# KiCad board pcb.kicad_pcb
title: Glider; date: 2025-09-09; rev: R1.3
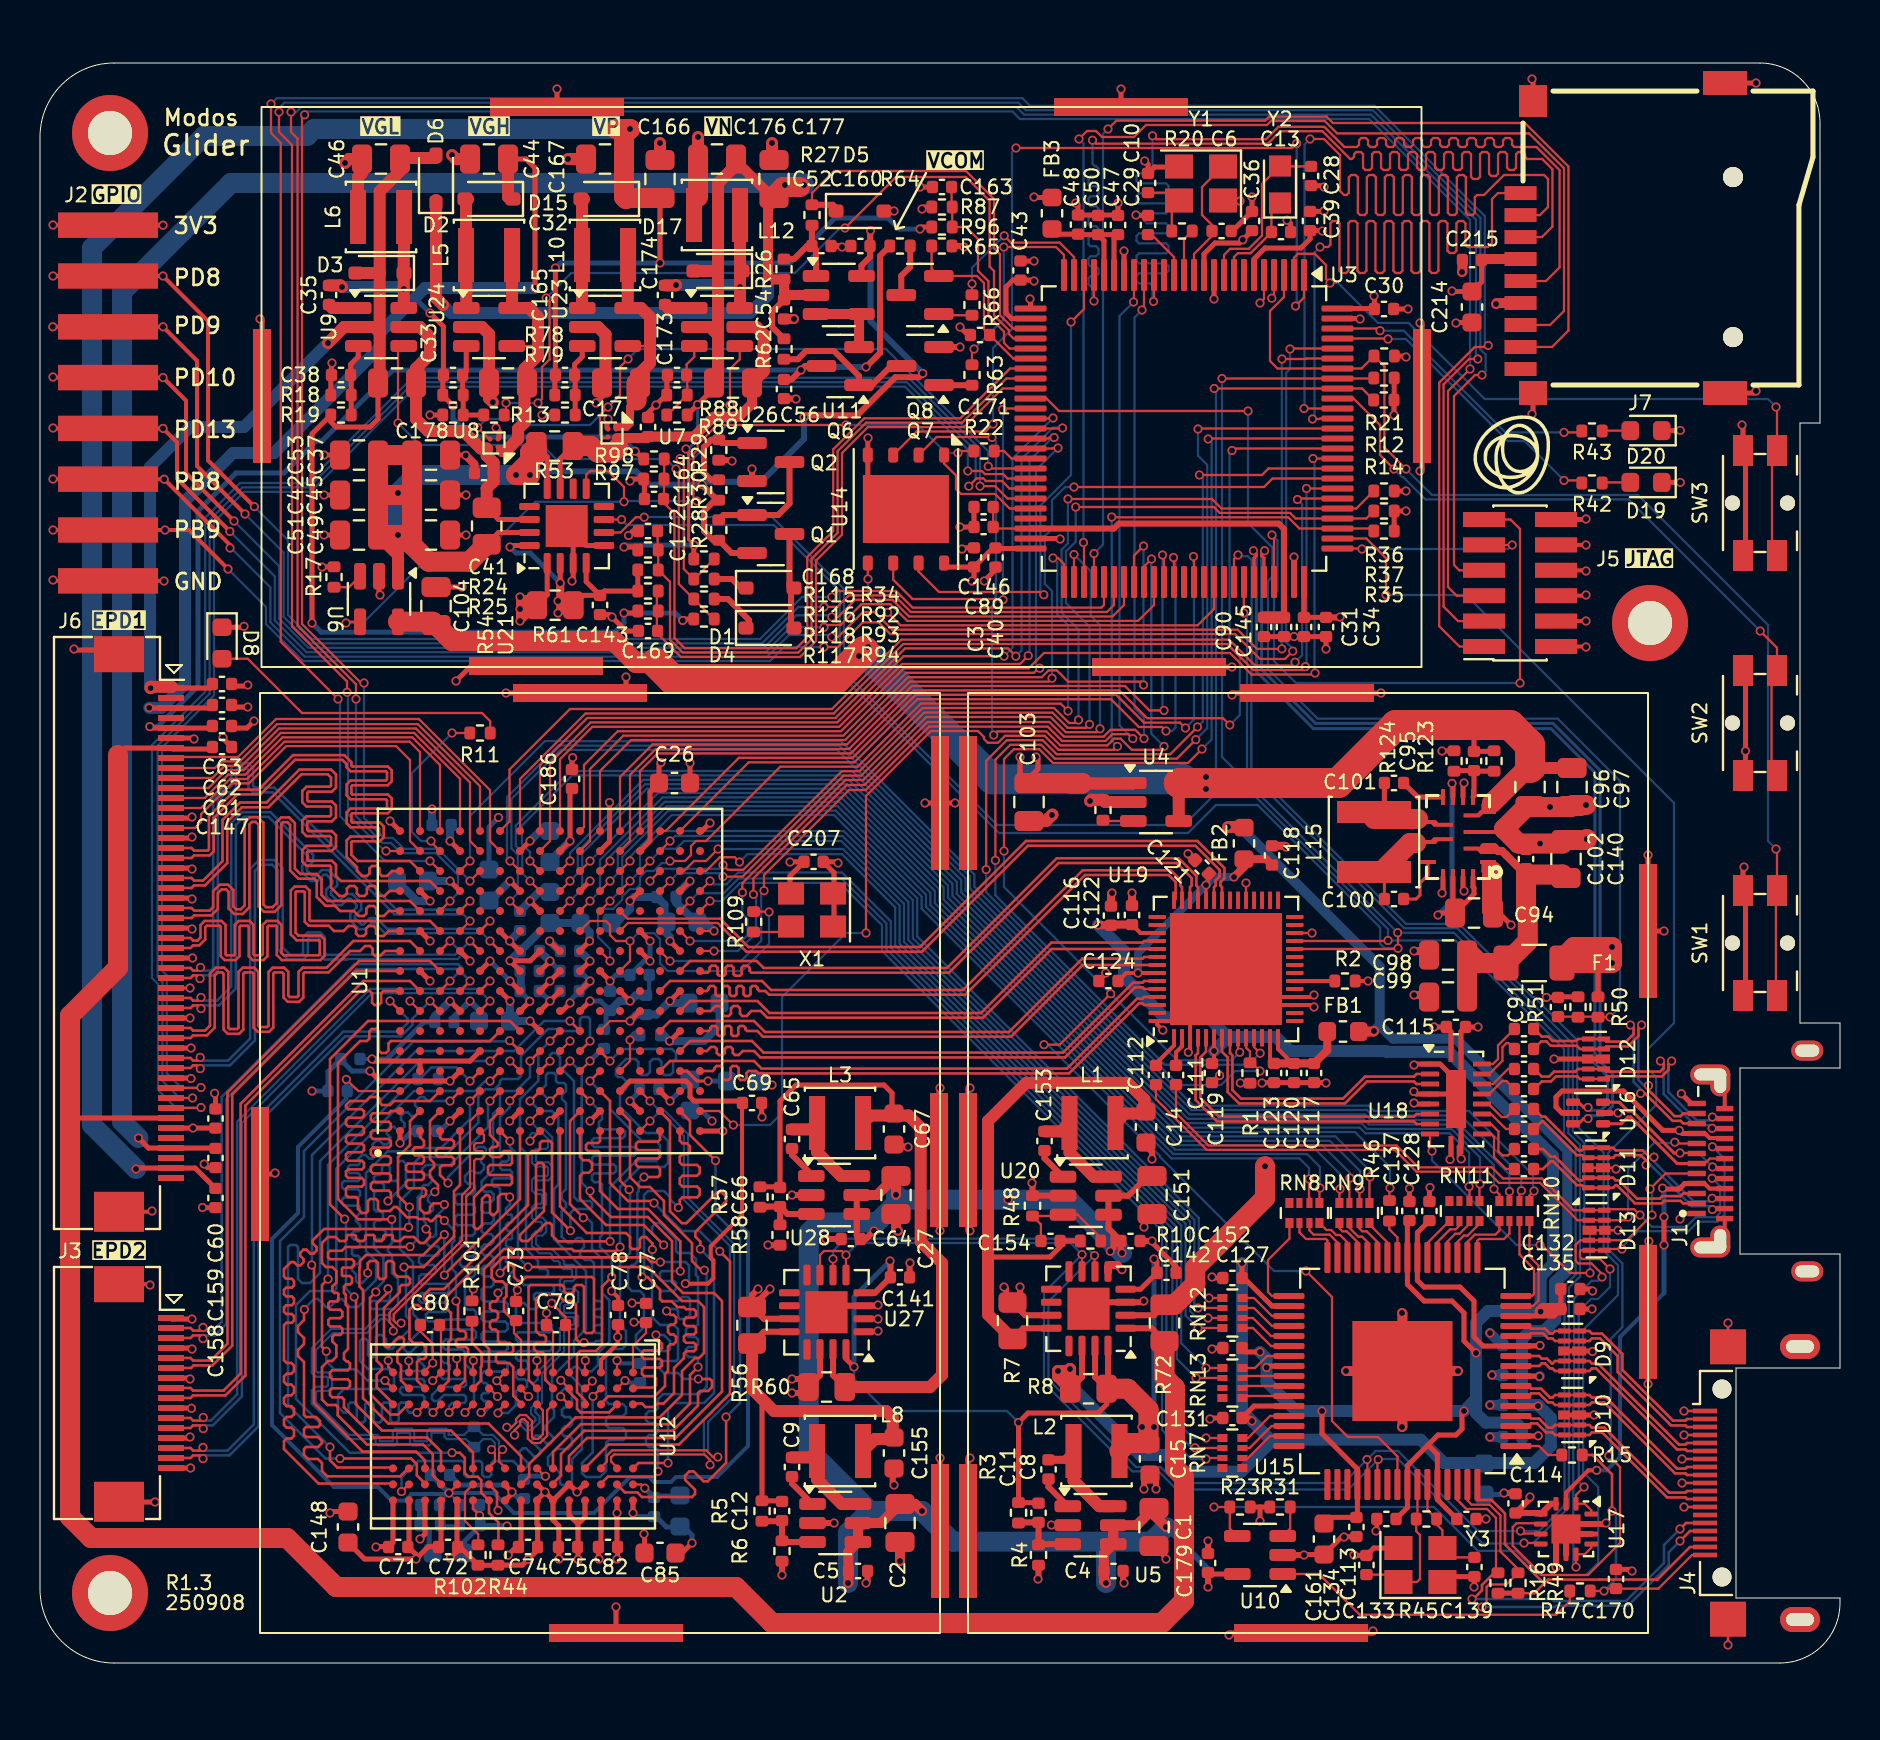
[diagram p0: board, top side]
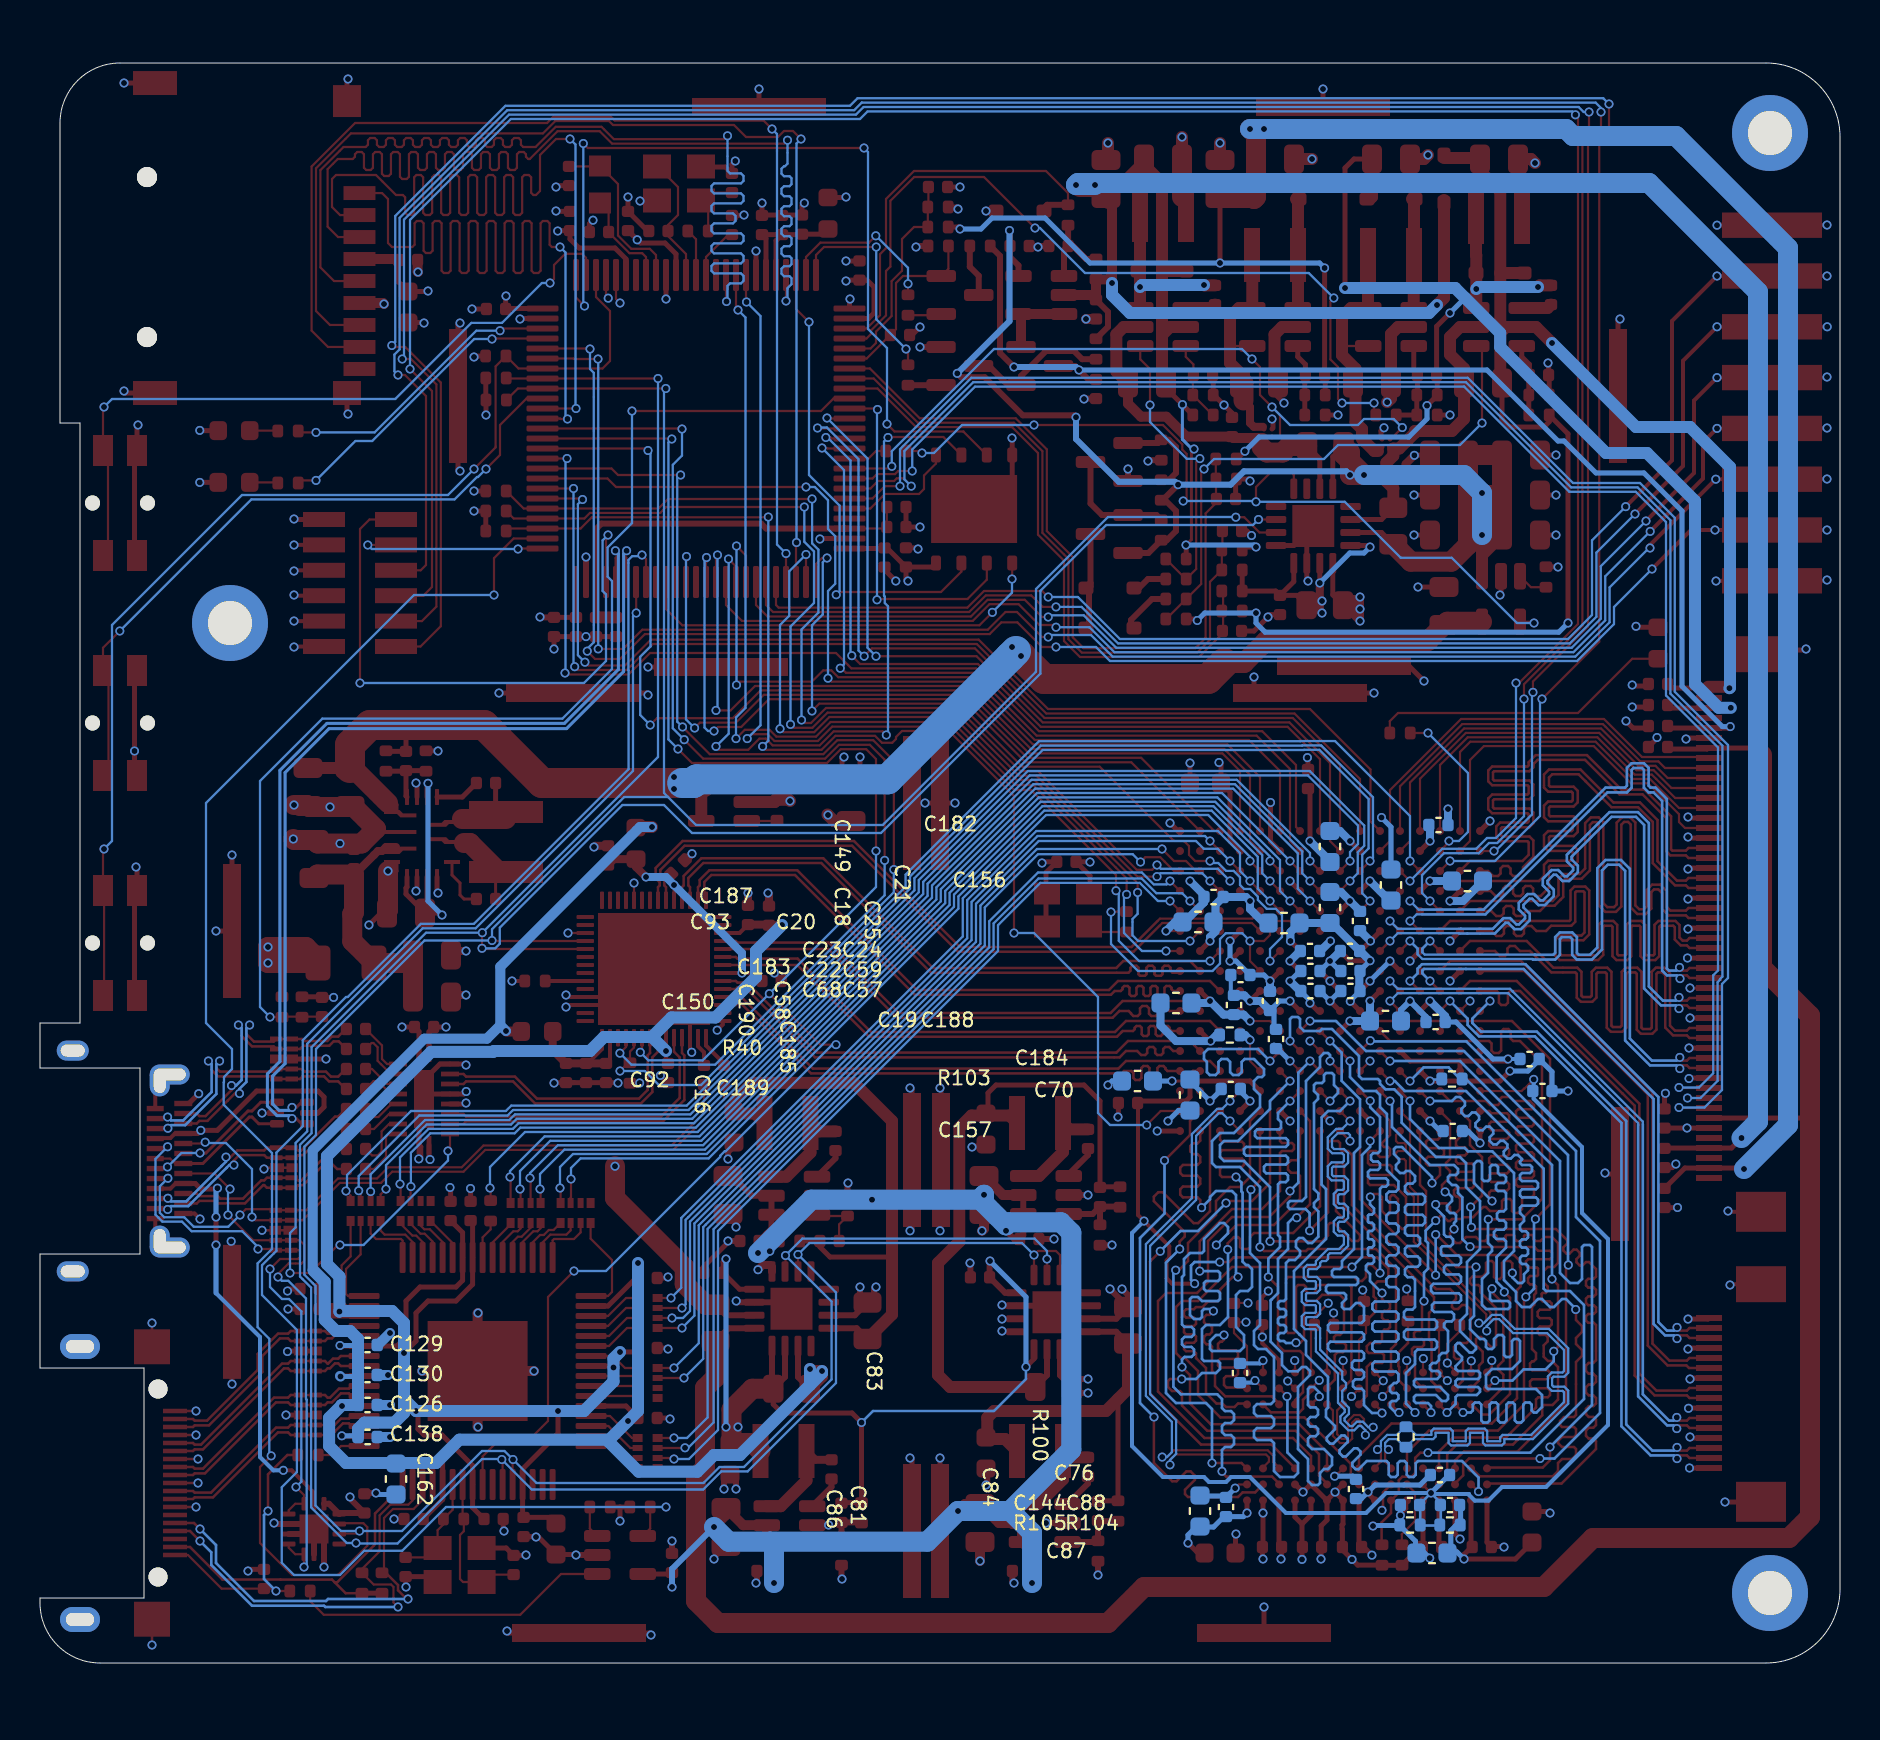
[diagram p1: board, bottom side, seen from below]

Outline 90 x 80 mm; copper layers: Top, In1.Cu (plane), In2.Cu, Bottom. Coordinates in mm from the lower left corner of the outline.
Outline path: 0,76.3 0,3.7 arc(1.08,1.08) 3.7,0 87,0 arc(89.12,0.88) 90,3 90,3.25 84.8,3.25 84.8,14.75 90,14.75 90,20.45 85,20.45 85,29.75 90,29.75 90,32 88,32 88,62 89,62 89,77 arc(88.12,79.12) 86,80 3.7,80 arc(1.08,78.92) 0,76.3
Stack: Top 0.035mm / dielectric 0.127mm FR4 er 4.2 / In1.Cu 0.0152mm / dielectric 0.6mm FR4 er 4.2 / In2.Cu 0.0152mm / dielectric 0.127mm FR4 er 4.2 / Bottom 0.035mm

## Placement (name value [footprint] x y rotation side)
C1  22uF/10V  [C_0805_2012Metric]  55.7 6.8 90 top
C2  22uF/10V  [C_0805_2012Metric]  43 7 90 top
C3  100nF/50V  [C_0402_1005Metric]  46.7 55.28 90 top
C4  100nF/50V  [C_0402_1005Metric]  53.67 4.6 180 top
C5  100nF/50V  [C_0402_1005Metric]  40.9 4.6 180 top
C6  18pF/50V  [C_0402_1005Metric]  59.08 71.6 0 top
C7  100nF/50V  [C_0402_1005Metric]  74.2 27.7 180 top
C8  100nF/50V  [C_0402_1005Metric]  50.42 9.68 270 top
C9  100nF/50V  [C_0402_1005Metric]  37.6 9.8 270 top
C10  18pF/50V  [C_0402_1005Metric]  55.4 74 90 top
C11  18pF/50V  [C_0402_1005Metric]  49.92 7.51 270 top
C12  18pF/50V  [C_0402_1005Metric]  37.1 7.6 270 top
C13  18pF/50V  [C_0402_1005Metric]  62.05 71.55 0 top
C14  22uF/6.3V  [C_0603_1608Metric]  55.3 26.8 270 top
C15  22uF/6.3V  [C_0603_1608Metric]  55.5 10.2 270 top
C16  22uF/6.3V  [C_0603_1608Metric]  32.5 28.4 90 bottom
C17  22uF/10V  [C_0805_2012Metric]  29.05 64 0 top
C18  22uF/6.3V  [C_0603_1608Metric]  25.5 37.78 90 bottom
C19  22uF/6.3V  [C_0603_1608Metric]  22.72 32.1 180 bottom
C20  22uF/6.3V  [C_0603_1608Metric]  27.8 37 0 bottom
C21  22uF/6.3V  [C_0603_1608Metric]  22.45 38.9 90 bottom
C22  4.7uF/6.3V  [C_0402_1005Metric]  26.48 34.6 180 bottom
C23  4.7uF/6.3V  [C_0402_1005Metric]  26.5 35.6 0 bottom
C24  4.7uF/6.3V  [C_0402_1005Metric]  24.5 35.6 0 bottom
C25  470nF/25V  [C_0402_1005Metric]  24 37.1 90 bottom
C26  22uF/6.3V  [C_0603_1608Metric]  31.72 44 0 top
C27  22uF/10V  [C_0805_2012Metric]  42.8 23.4 90 top
C28  18pF/50V  [C_0402_1005Metric]  63.55 74.35 270 top
C29  100nF/50V  [C_0402_1005Metric]  55.4 71.9 270 top
C30  100nF/50V  [C_0402_1005Metric]  67.2 67.7 0 top
C31  100nF/50V  [C_0402_1005Metric]  63.2 51.8 270 top
C32  22uF/10V  [C_0805_2012Metric]  23.4 64 0 top
C33  4.7uF/50V  [C_0805_2012Metric]  17.85 64 0 top
C34  4.7uF/6.3V  [C_0402_1005Metric]  64.3 51.8 270 top
C35  100nF/50V  [C_0402_1005Metric]  14.45 68.4 270 top
C36  100nF/50V  [C_0402_1005Metric]  60.6 72.1 90 top
C37  22uF/10V  [C_0805_2012Metric]  19.55 60.4 180 top
C38  18pF/50V  [C_0402_1005Metric]  15.05 64.4 180 top
C39  100nF/50V  [C_0402_1005Metric]  63.5 72.1 90 top
C40  100nF/50V  [C_0402_1005Metric]  47.78 55.27 270 top
C41  18pF/50V  [C_0402_1005Metric]  20.65 64.4 180 top
C42  22uF/10V  [C_0805_2012Metric]  15.95 58.4 0 top
C43  100nF/50V  [C_0402_1005Metric]  49.03 69.62 90 top
C44  4.7uF/50V  [C_0805_2012Metric]  22.45 75.2 0 top
C45  22uF/10V  [C_0805_2012Metric]  15.95 56.4 0 top
C46  4.7uF/50V  [C_0805_2012Metric]  17.05 75.2 180 top
C47  4.7uF/6.3V  [C_0402_1005Metric]  53.9 71.9 90 top
C48  100nF/50V  [C_0402_1005Metric]  51.9 71.92 90 top
C49  22uF/10V  [C_0805_2012Metric]  19.55 56.4 180 top
C50  100nF/50V  [C_0402_1005Metric]  52.9 71.9 90 top
C51  22uF/10V  [C_0805_2012Metric]  19.55 58.4 180 top
C52  470nF/25V  [C_0402_1005Metric]  39.08 70.85 180 top
C53  22uF/10V  [C_0805_2012Metric]  15.95 60.4 0 top
C54  100nF/50V  [C_0402_1005Metric]  37.2 67.68 90 top
C55  100nF/50V  [C_0402_1005Metric]  74.2 26.7 180 top
C56  4.7uF/6.3V  [C_0402_1005Metric]  37.2 63.7 90 top
C57  4.7uF/6.3V  [C_0402_1005Metric]  24.48 33.6 0 bottom
C58  470nF/25V  [C_0402_1005Metric]  28.5 33.1 270 bottom
C59  4.7uF/6.3V  [C_0402_1005Metric]  24.48 34.6 0 bottom
C60  100nF/50V  [C_0402_1005Metric]  8.78 27.22 90 top
C61  100nF/50V  [C_0402_1005Metric]  9.1 46.85 0 top
C62  100nF/50V  [C_0402_1005Metric]  9.1 47.9 0 top
C63  100nF/50V  [C_0402_1005Metric]  9.1 48.95 0 top
C64  100nF/50V  [C_0402_1005Metric]  40.54 21.2 0 top
C65  100nF/50V  [C_0402_1005Metric]  37.6 26.2 270 top
C66  18pF/50V  [C_0402_1005Metric]  37 23.3 270 top
C67  22uF/6.3V  [C_0603_1608Metric]  42.7 26.7 270 top
C68  470nF/25V  [C_0402_1005Metric]  26.48 33.6 180 bottom
C69  470nF/25V  [C_0402_1005Metric]  35.6 28 0 top
C70  470nF/25V  [C_0402_1005Metric]  14.88 28.6 180 bottom
C71  100nF/50V  [C_0402_1005Metric]  17.91 5.8 180 top
C72  100nF/50V  [C_0402_1005Metric]  20.4 5.8 0 top
C73  470nF/25V  [C_0402_1005Metric]  23.8 17.6 90 top
C74  100nF/50V  [C_0402_1005Metric]  24.4 5.8 0 top
C75  100nF/50V  [C_0402_1005Metric]  26.4 5.8 180 top
C76  100nF/50V  [C_0402_1005Metric]  20 9.4 0 bottom
C77  100nF/50V  [C_0402_1005Metric]  30.3 17.5 90 top
C78  100nF/50V  [C_0402_1005Metric]  28.9 17.4 90 top
C79  470nF/25V  [C_0402_1005Metric]  25.8 16.9 0 top
C80  470nF/25V  [C_0402_1005Metric]  19.5 16.9 180 top
C81  470nF/25V  [C_0402_1005Metric]  30.7 7.8 270 bottom
C82  470nF/25V  [C_0402_1005Metric]  28.4 5.8 0 top
C83  470nF/25V  [C_0402_1005Metric]  30 14.5 90 bottom
C84  470nF/25V  [C_0402_1005Metric]  24.2 8.7 270 bottom
C85  22uF/6.3V  [C_0603_1608Metric]  31 5.5 0 top
C86  22uF/6.3V  [C_0603_1608Metric]  32 7.6 270 bottom
C87  22uF/6.3V  [C_0603_1608Metric]  20.4 5.5 0 bottom
C88  100nF/50V  [C_0402_1005Metric]  19.5 7.9 0 bottom
C89  4.7uF/6.3V  [C_0402_1005Metric]  47.18 56.8 0 top
C90  4.7uF/6.3V  [C_0402_1005Metric]  61.2 51.8 90 top
C91  1nF/50V  [C_0402_1005Metric]  75.9 32.8 90 top
C92  22uF/6.3V  [C_0603_1608Metric]  35.12 29.1 0 bottom
C93  22uF/6.3V  [C_0603_1608Metric]  32.1 37.05 180 bottom
C94  22uF/10V  [C_0805_2012Metric]  71.7 37.5 180 top
C95  1nF/50V  [C_0402_1005Metric]  71.7 45.1 270 top
C96  22uF/10V  [C_0805_2012Metric]  74.5 43.8 90 top
C97  22uF/10V  [C_0805_2012Metric]  76.6 43.8 90 top
C98  4.7uF/50V  [C_0805_2012Metric]  70.4 35.4 0 top
C99  4.7uF/50V  [C_0805_2012Metric]  70.4 33.3 0 top
C100  100nF/50V  [C_0402_1005Metric]  67.7 38.2 180 top
C101  100nF/50V  [C_0402_1005Metric]  67.7 44 180 top
C102  100nF/50V  [C_0402_1005Metric]  74.3 40.2 270 top
C103  22uF/10V  [C_0805_2012Metric]  49.45 43.05 90 top
C104  22uF/10V  [C_0805_2012Metric]  19.8 52.85 270 top
C105  100nF/50V  [C_0402_1005Metric]  74.2 25.7 180 top
C106  100nF/50V  [C_0402_1005Metric]  74.2 24.7 180 top
C107  100nF/50V  [C_0402_1005Metric]  74.2 31.7 180 top
C108  100nF/50V  [C_0402_1005Metric]  74.2 30.7 180 top
C109  100nF/50V  [C_0402_1005Metric]  74.2 29.7 180 top
C110  100nF/50V  [C_0402_1005Metric]  74.2 28.7 180 top
C111  100nF/50V  [C_0402_1005Metric]  56.8 29.4 90 top
C112  100nF/50V  [C_0402_1005Metric]  55.8 29.4 90 top
C113  18pF/50V  [C_0402_1005Metric]  66.32 4.9 90 top
C114  100nF/50V  [C_0402_1005Metric]  73.78 7.98 90 top
C115  100nF/50V  [C_0402_1005Metric]  70.79 31.8 0 top
C116  4.7uF/6.3V  [C_0402_1005Metric]  53.55 37.37 90 top
C117  4.7uF/6.3V  [C_0402_1005Metric]  63.7 29.5 270 top
C118  4.7uF/6.3V  [C_0402_1005Metric]  61.6 40.38 90 top
C119  100nF/50V  [C_0402_1005Metric]  58.6 29.5 270 top
C120  100nF/50V  [C_0402_1005Metric]  62.7 29.5 270 top
C121  100nF/50V  [C_0402_1005Metric]  58.1 39.8 135 top
C122  100nF/50V  [C_0402_1005Metric]  54.6 37.4 90 top
C123  100nF/50V  [C_0402_1005Metric]  61.7 29.5 270 top
C124  100nF/50V  [C_0402_1005Metric]  53.42 34.1 180 top
C125  18pF/50V  [C_0402_1005Metric]  71.72 4.8 270 top
C126  4.7uF/6.3V  [C_0402_1005Metric]  73.62 12.9 180 bottom
C127  100nF/50V  [C_0402_1005Metric]  59.62 19.25 180 top
C128  100nF/50V  [C_0402_1005Metric]  69.47 22.6 90 top
C129  100nF/50V  [C_0402_1005Metric]  73.62 15.9 180 bottom
C130  100nF/50V  [C_0402_1005Metric]  73.62 14.4 180 bottom
C131  100nF/50V  [C_0402_1005Metric]  59.62 12.25 180 top
C132  4.7uF/6.3V  [C_0402_1005Metric]  76.52 18.7 0 top
C133  100nF/50V  [C_0402_1005Metric]  67.32 7.2 180 top
C134  100nF/50V  [C_0402_1005Metric]  65.82 6.8 270 top
C135  100nF/50V  [C_0402_1005Metric]  76.52 17.7 0 top
C136  100nF/50V  [C_0402_1005Metric]  59.62 15.75 180 top
C137  100nF/50V  [C_0402_1005Metric]  68.47 22.6 90 top
C138  100nF/50V  [C_0402_1005Metric]  73.62 11.3 180 bottom
C139  100nF/50V  [C_0402_1005Metric]  71.32 7.2 0 top
C140  4.7uF/50V  [C_0805_2012Metric]  76.3 40.2 270 top
C141  100nF/50V  [C_0402_1005Metric]  43 19.29 0 top
C142  100nF/50V  [C_0402_1005Metric]  56.33 19.51 0 top
C143  100nF/50V  [C_0402_1005Metric]  28 52.9 270 top
C144  100nF/50V  [C_0402_1005Metric]  21.5 7.9 0 bottom
C145  4.7uF/6.3V  [C_0402_1005Metric]  62.2 51.8 90 top
C146  4.7uF/6.3V  [C_0402_1005Metric]  47.18 57.8 0 top
C147  100nF/50V  [C_0402_1005Metric]  9.1 45.8 0 top
C148  22uF/6.3V  [C_0603_1608Metric]  15.4 6.8 90 top
C149  22uF/6.3V  [C_0603_1608Metric]  25.5 40.83 90 bottom
C150  22uF/6.3V  [C_0603_1608Metric]  33.2 33 0 bottom
C151  22uF/10V  [C_0805_2012Metric]  55.6 23.4 90 top
C152  100nF/50V  [C_0402_1005Metric]  54.53 21.1 180 top
C153  100nF/50V  [C_0402_1005Metric]  50.22 26.1 270 top
C154  18pF/50V  [C_0402_1005Metric]  50.53 21.1 180 top
C155  22uF/6.3V  [C_0603_1608Metric]  42.7 10.5 270 top
C156  22uF/6.3V  [C_0603_1608Metric]  18.62 39.1 0 bottom
C157  4.7uF/6.3V  [C_0402_1005Metric]  19.36 26.6 180 bottom
C158  100nF/50V  [C_0402_1005Metric]  8.78 23.25 270 top
C159  100nF/50V  [C_0402_1005Metric]  8.78 25.25 270 top
C160  100nF/50V  [C_0402_1005Metric]  41.02 70.85 0 top
C161  22uF/6.3V  [C_0603_1608Metric]  64.2 6.2 270 top
C162  22uF/6.3V  [C_0603_1608Metric]  72.2 9.2 270 bottom
C163  1nF/25V  [C_0402_1005Metric]  45.1 73.8 0 top
C164  1nF/25V  [C_0402_1005Metric]  30.7 58.2 0 top
C165  18pF/50V  [C_0402_1005Metric]  26.25 64.4 180 top
C166  4.7uF/50V  [C_0805_2012Metric]  31 74.2 270 top
C167  4.7uF/50V  [C_0805_2012Metric]  28.25 75.2 0 top
C168  1nF/25V  [C_0402_1005Metric]  30.4 56.6 0 top
C169  1nF/25V  [C_0402_1005Metric]  30.4 51.6 0 top
C170  1nF/50V  [C_0402_1005Metric]  78.8 4.2 90 top
C171  100nF/50V  [C_0402_1005Metric]  47 66.4 0 top
C172  470nF/25V  [C_0402_1005Metric]  30.4 61.8 90 top
C173  4.7uF/50V  [C_0805_2012Metric]  34.65 64 0 top
C174  100nF/50V  [C_0402_1005Metric]  31.25 68.4 270 top
C175  18pF/50V  [C_0402_1005Metric]  31.85 64.4 180 top
C176  4.7uF/50V  [C_0805_2012Metric]  33.85 75.2 180 top
C177  4.7uF/50V  [C_0805_2012Metric]  36.7 74.2 90 top
C178  470nF/25V  [C_0402_1005Metric]  22.2 59.5 180 top
C179  100nF/50V  [C_0402_1005Metric]  58.4 5 90 top
C182  4.7uF/6.3V  [C_0402_1005Metric]  20.08 41.9 180 bottom
C183  4.7uF/6.3V  [C_0402_1005Metric]  29.98 34.4 0 bottom
C184  4.7uF/6.3V  [C_0402_1005Metric]  15.52 30.2 180 bottom
C185  470nF/25V  [C_0402_1005Metric]  28.2 31.2 90 bottom
C186  470nF/25V  [C_0402_1005Metric]  26.6 44.2 90 top
C187  470nF/25V  [C_0402_1005Metric]  31.32 38.3 180 bottom
C188  470nF/25V  [C_0402_1005Metric]  20.22 32.05 0 bottom
C189  470nF/25V  [C_0402_1005Metric]  30.46 28.7 0 bottom
C190  470nF/25V  [C_0402_1005Metric]  30.3 32.9 90 bottom
C207  470nF/25V  [C_0402_1005Metric]  38.68 40.06 0 top
C214  22uF/6.3V  [C_0603_1608Metric]  71.6 67.8 270 top
C215  100nF/50V  [C_0402_1005Metric]  71.6 70.15 180 top
D1  1N5819WS  [D_SOD-323_Alt]  36.5 53.75 0 top
D2  1N5819WS  [D_SOD-323_Alt]  22.45 73.2 180 top
D3  1N5819WS  [D_SOD-323_Alt]  17 69.5 180 top
D4  1N5819WS  [D_SOD-323_Alt]  36.5 51.75 0 top
D5  1N5819WS  [D_SOD-323_Alt]  41 72.6 0 top
D6  1N5819WS  [D_SOD-323_Alt]  19.8 74.2 90 top
D8  LED GREEN  [LED_0603_1608Metric]  9.1 51 270 top
D9  RCLAMP0524P  [Diodes_UDFN-10_1.0x2.5mm_P0.5mm]  76.61 15.6 180 top
D10  RCLAMP0524P  [Diodes_UDFN-10_1.0x2.5mm_P0.5mm]  76.61 12.4 180 top
D11  RCLAMP0524P  [Diodes_UDFN-10_1.0x2.5mm_P0.5mm]  77.8 24.76 180 top
D12  RCLAMP0524P  [Diodes_UDFN-10_1.0x2.5mm_P0.5mm]  77.8 30.2 180 top
D13  RCLAMP0524P  [Diodes_UDFN-10_1.0x2.5mm_P0.5mm]  77.83 21.64 0 top
D15  1N5819WS  [D_SOD-323_Alt]  28.25 73.2 180 top
D17  1N5819WS  [D_SOD-323_Alt]  33.9 69.6 180 top
D19  LED GREEN  [LED_0603_1608Metric]  80.3 59.03 180 top
D20  LED RED  [LED_0603_1608Metric]  80.3 61.62 180 top
F1  3A  [Fuse_1206_3216Metric]  74.7 35 180 top
FB1  120R@100M  [L_0603_1608Metric]  65.15 31.58 180 top
FB2  120R@100M  [L_0603_1608Metric]  60.2 40.98 270 top
FB3  120R@100M  [L_0603_1608Metric]  50.6 72.49 270 top
G***  LOGO  [modos_logo]  73.6 60.4 0 top
H1  MountingHole  [MountingHole_2.2mm_M2_DIN965_Pad]  80.5 52 0 top
H3  MountingHole  [MountingHole_2.2mm_M2_DIN965_Pad]  3.5 3.5 0 top
H4  MountingHole  [MountingHole_2.2mm_M2_DIN965_Pad]  3.5 76.5 0 top
H5  -  [ICSRC6508-030SFR]  69.1 63.35 90 top
H6  -  [ICSRC6508-030SFR]  11.1 63.35 90 top
H7  -  [ICSRC6508-030SFR]  25.85 77.8 0 top
H8  -  [ICSRC6508-030SFR]  54.05 77.8 0 top
H9  -  [ICSRC6508-030SFR]  24.8 49.85 0 top
H12  -  [ICSRC6508-030SFR]  28.8 1.5 0 top
H13  -  [ICSRC6508-030SFR]  44.95 25.15 90 top
H14  -  [ICSRC6508-030SFR]  45 6.6 90 top
H15  -  [ICSRC6508-030SFR]  45 43 90 top
H16  -  [ICSRC6508-030SFR]  46.4 25.15 90 top
H17  -  [ICSRC6508-030SFR]  63.35 48.5 0 top
H18  -  [ICSRC6508-030SFR]  63.05 1.5 0 top
H19  -  [ICSRC6508-030SFR]  46.4 43 90 top
H20  -  [ICSRC6508-030SFR]  46.4 6.6 90 top
H21  -  [ICSRC6508-030SFR]  80.4 36.6 90 top
H22  -  [ICSRC6508-030SFR]  80.4 17.56 90 top
H23  -  [ICSRC6508-030SFR]  55.95 49.8 0 top
H25  -  [ICSRC6508-030SFR]  27 48.5 0 top
H26  -  [ICSRC6508-030SFR]  11 24.45 90 top
J1  GT-USB-7007A  [USB_C_Receptacle_GT-USB-7007A]  88.36 25.1 90 top
J2  Conn_01x08_MountingPin  [8P_2.54]  3.4 63 270 top
J3  FPC-05F-16PH20  [Xunpu_FPC-05F-16PH20_1x16-1MP_P0.50mm_Horizontal]  4.7 13.5 270 top
J4  HDMI_C_1.3  [HDMI_C_GT-HD006A-CGNGX]  88 9 90 top
J5  2x6_1.27_HDR  [PinSocket_2x06_P1.27mm_Vertical_SMD]  74 54 180 top
J6  FPC-05F-50PH20  [Xunpu_FPC-05F-50PH20_1x50-1MP_P0.50mm_Horizontal]  4.7 36.5 270 top
J7  MICRO_SD(TFC-WPAPR-08)  [TFC-WPAPR-08]  81.4 71.25 0 top
L1  WPN3012H4R7MT  [L_Changjiang_FNR3012S]  52.62 27 0 top
L2  WPN3012H4R7MT  [L_Changjiang_FNR3012S]  52.83 10.6 0 top
L3  WPN3012H4R7MT  [L_Changjiang_FNR3012S]  40 27 0 top
L5  WPN3012H4R7MT  [L_Changjiang_FNR3012S]  22.45 70.4 180 top
L6  WPN3012H4R7MT  [L_Changjiang_FNR3012S]  17.05 72.3 180 top
L8  WPN3012H4R7MT  [L_Changjiang_FNR3012S]  40 10.6 0 top
L10  WPN3012H4R7MT  [L_Changjiang_FNR3012S]  28.25 70.4 180 top
L12  WPN3012H4R7MT  [L_Changjiang_FNR3012S]  33.85 72.4 180 top
L15  WPN4020H2R2MT  [L_Changjiang_FNR4020S]  66.7 41.05 90 top
Q1  AO3401A  [SOT-23]  36.54 56.45 0 top
Q2  S8050  [SOT-23]  36.54 60.05 0 top
Q6  AO3400A  [SOT-23]  40.01 64.85 180 top
Q7  AO3401A  [SOT-23]  44.01 64.85 180 top
Q8  AO3401A  [SOT-23]  44 68.4 180 top
R1  5.1K/1%  [R_0402_1005Metric]  60.5 29.5 90 top
R2  5.1K/1%  [R_0402_1005Metric]  65.25 34.1 180 top
R3  100K/1%  [R_0402_1005Metric]  48.92 7.51 270 top
R4  22K/1%  [R_0402_1005Metric]  49.92 5.4 270 top
R5  150K/1%  [R_0402_1005Metric]  36.1 7.6 270 top
R6  120K/1%  [R_0402_1005Metric]  37.1 5.6 270 top
R7  20mR  [R_0805_2012Metric]  48.62 17.11 270 top
R8  20mR  [R_0805_2012Metric]  52.42 13.71 0 top
R9  5.1K/1%  [R_0402_1005Metric]  53.15 42.65 270 top
R10  240K/1%  [R_0402_1005Metric]  52.53 21.1 0 top
R11  10K/1%  [R_0402_1005Metric]  22 46.5 0 top
R12  10K/1%  [R_0402_1005Metric]  67.2 64.25 180 top
R13  100K/1%  [R_0402_1005Metric]  22.7 62.4 0 top
R14  10K/1%  [R_0402_1005Metric]  67.19 63.15 180 top
R15  100R/1%  [R_0402_1005Metric]  76.6 10.4 0 top
R16  10K/1%  [R_0402_1005Metric]  72.9 4 270 top
R17  10K/1%  [R_0402_1005Metric]  14.7 54.3 270 top
R18  240K/1%  [R_0402_1005Metric]  15.05 63.4 180 top
R19  10K/1%  [R_0402_1005Metric]  15.05 62.4 0 top
R20  1K/1%  [R_0402_1005Metric]  57.1 71.6 180 top
R21  10K/1%  [R_0402_1005Metric]  67.21 65.35 180 top
R22  1K/1%  [R_0402_1005Metric]  47.2 60.6 0 top
R23  10K/1%  [R_0402_1005Metric]  60 7.8 180 top
R24  390K/1%  [R_0402_1005Metric]  20.65 63.4 180 top
R25  22K/1%  [R_0402_1005Metric]  20.65 62.4 0 top
R26  100K/1%  [R_0402_1005Metric]  37.2 69.69 90 top
R27  22K/1%  [R_0402_1005Metric]  38.6 72.4 90 top
R28  100K/1%  [R_0402_1005Metric]  33.94 56.65 270 top
R29  5.1K/1%  [R_0402_1005Metric]  33.94 60.65 90 top
R30  5.1K/1%  [R_0402_1005Metric]  33.94 58.65 90 top
R31  10K/1%  [R_0402_1005Metric]  62 7.8 0 top
R34  100K/1%  [R_0402_1005Metric]  33.2 55.2 0 top
R35  5.1K/1%  [R_0402_1005Metric]  67.2 56.6 180 top
R36  5.1K/1%  [R_0402_1005Metric]  67.2 58.6 0 top
R37  1K/1%  [R_0402_1005Metric]  67.2 57.6 180 top
R40  100R/1%  [R_0402_1005Metric]  30.51 31.4 0 bottom
R42  10K/1%  [R_0402_1005Metric]  77.6 59 0 top
R43  1K/1%  [R_0402_1005Metric]  77.6 61.6 0 top
R44  5.1K/1%  [R_0402_1005Metric]  22.9 5.4 270 top
R45  1M/1%  [R_0402_1005Metric]  69.32 7.2 180 top
R46  33R/1%  [R_0402_1005Metric]  67.47 22.61 270 top
R47  10K/1%  [R_0402_1005Metric]  77 3.6 0 top
R48  120K/1%  [R_0402_1005Metric]  49.62 22.86 90 top
R49  10K/1%  [R_0402_1005Metric]  73.9 4 270 top
R50  1M/1%  [R_0402_1005Metric]  77.9 32.8 270 top
R51  100K/1%  [R_0402_1005Metric]  76.9 32.8 90 top
R53  20mR  [R_0805_2012Metric]  25.73 60.85 0 top
R54  20mR  [R_0805_2012Metric]  22.33 56.85 90 top
R56  20mR  [R_0805_2012Metric]  35.6 16.89 270 top
R57  100K/1%  [R_0402_1005Metric]  36 23.3 270 top
R58  100K/1%  [R_0402_1005Metric]  37 21.4 270 top
R60  20mR  [R_0805_2012Metric]  39.33 13.8 0 top
R61  20mR  [R_0805_2012Metric]  25.75 52.89 0 top
R62  100K/1%  [R_0402_1005Metric]  37.2 65.7 90 top
R63  33R/1%  [R_0402_1005Metric]  46.6 64.4 270 top
R64  22K/1%  [R_0402_1005Metric]  43 70.85 180 top
R65  10K/1%  [R_0402_1005Metric]  45.09 70.85 180 top
R66  33R/1%  [R_0402_1005Metric]  46.6 67.9 90 top
R72  20mR  [R_0805_2012Metric]  56.22 17 90 top
R78  150K/1%  [R_0402_1005Metric]  26.25 63.4 180 top
R79  13K/1%  [R_0402_1005Metric]  26.25 62.4 0 top
R87  100K/1%  [R_0402_1005Metric]  45.1 72.8 0 top
R88  390K/1%  [R_0402_1005Metric]  31.85 63.4 180 top
R89  22K/1%  [R_0402_1005Metric]  31.85 62.4 180 top
R92  100K/1%  [R_0402_1005Metric]  33.2 54.2 0 top
R93  100K/1%  [R_0402_1005Metric]  33.2 53.2 0 top
R94  100K/1%  [R_0402_1005Metric]  33.2 52.2 0 top
R96  1M/1%  [R_0402_1005Metric]  45.1 71.8 180 top
R97  100K/1%  [R_0402_1005Metric]  30.69 59.2 0 top
R98  1M/1%  [R_0402_1005Metric]  30.7 60.2 180 top
R100  100R/1%  [R_0402_1005Metric]  21.7 11.3 90 bottom
R101  5.1K/1%  [R_0402_1005Metric]  21.6 17.6 90 top
R102  240R/1%  [R_0402_1005Metric]  21.9 5.4 270 top
R103  5.1K/1%  [R_0402_1005Metric]  19.4 29.2 0 bottom
R104  1K/1%  [R_0402_1005Metric]  19.5 6.9 0 bottom
R105  1K/1%  [R_0402_1005Metric]  21.5 6.9 0 bottom
R109  33R/1%  [R_0402_1005Metric]  35.68 37.06 90 top
R115  1M/1%  [R_0402_1005Metric]  30.4 55.65 0 top
R116  100K/1%  [R_0402_1005Metric]  30.4 54.65 180 top
R117  1M/1%  [R_0402_1005Metric]  30.4 52.6 0 top
R118  100K/1%  [R_0402_1005Metric]  30.4 53.6 180 top
R123  470K/1%  [R_0402_1005Metric]  72.7 45.1 270 top
R124  100K/1%  [R_0402_1005Metric]  70.7 45.1 270 top
RN7  33R / 4D02WGF330JTCE  [R_Array_Convex_4x0402]  59.62 10.5 180 top
RN8  33R / 4D02WGF330JTCE  [R_Array_Convex_4x0402]  63.22 22.5 90 top